# Altium PCB HallFM2_2.PcbDoc (part 3 of 3) (continued)
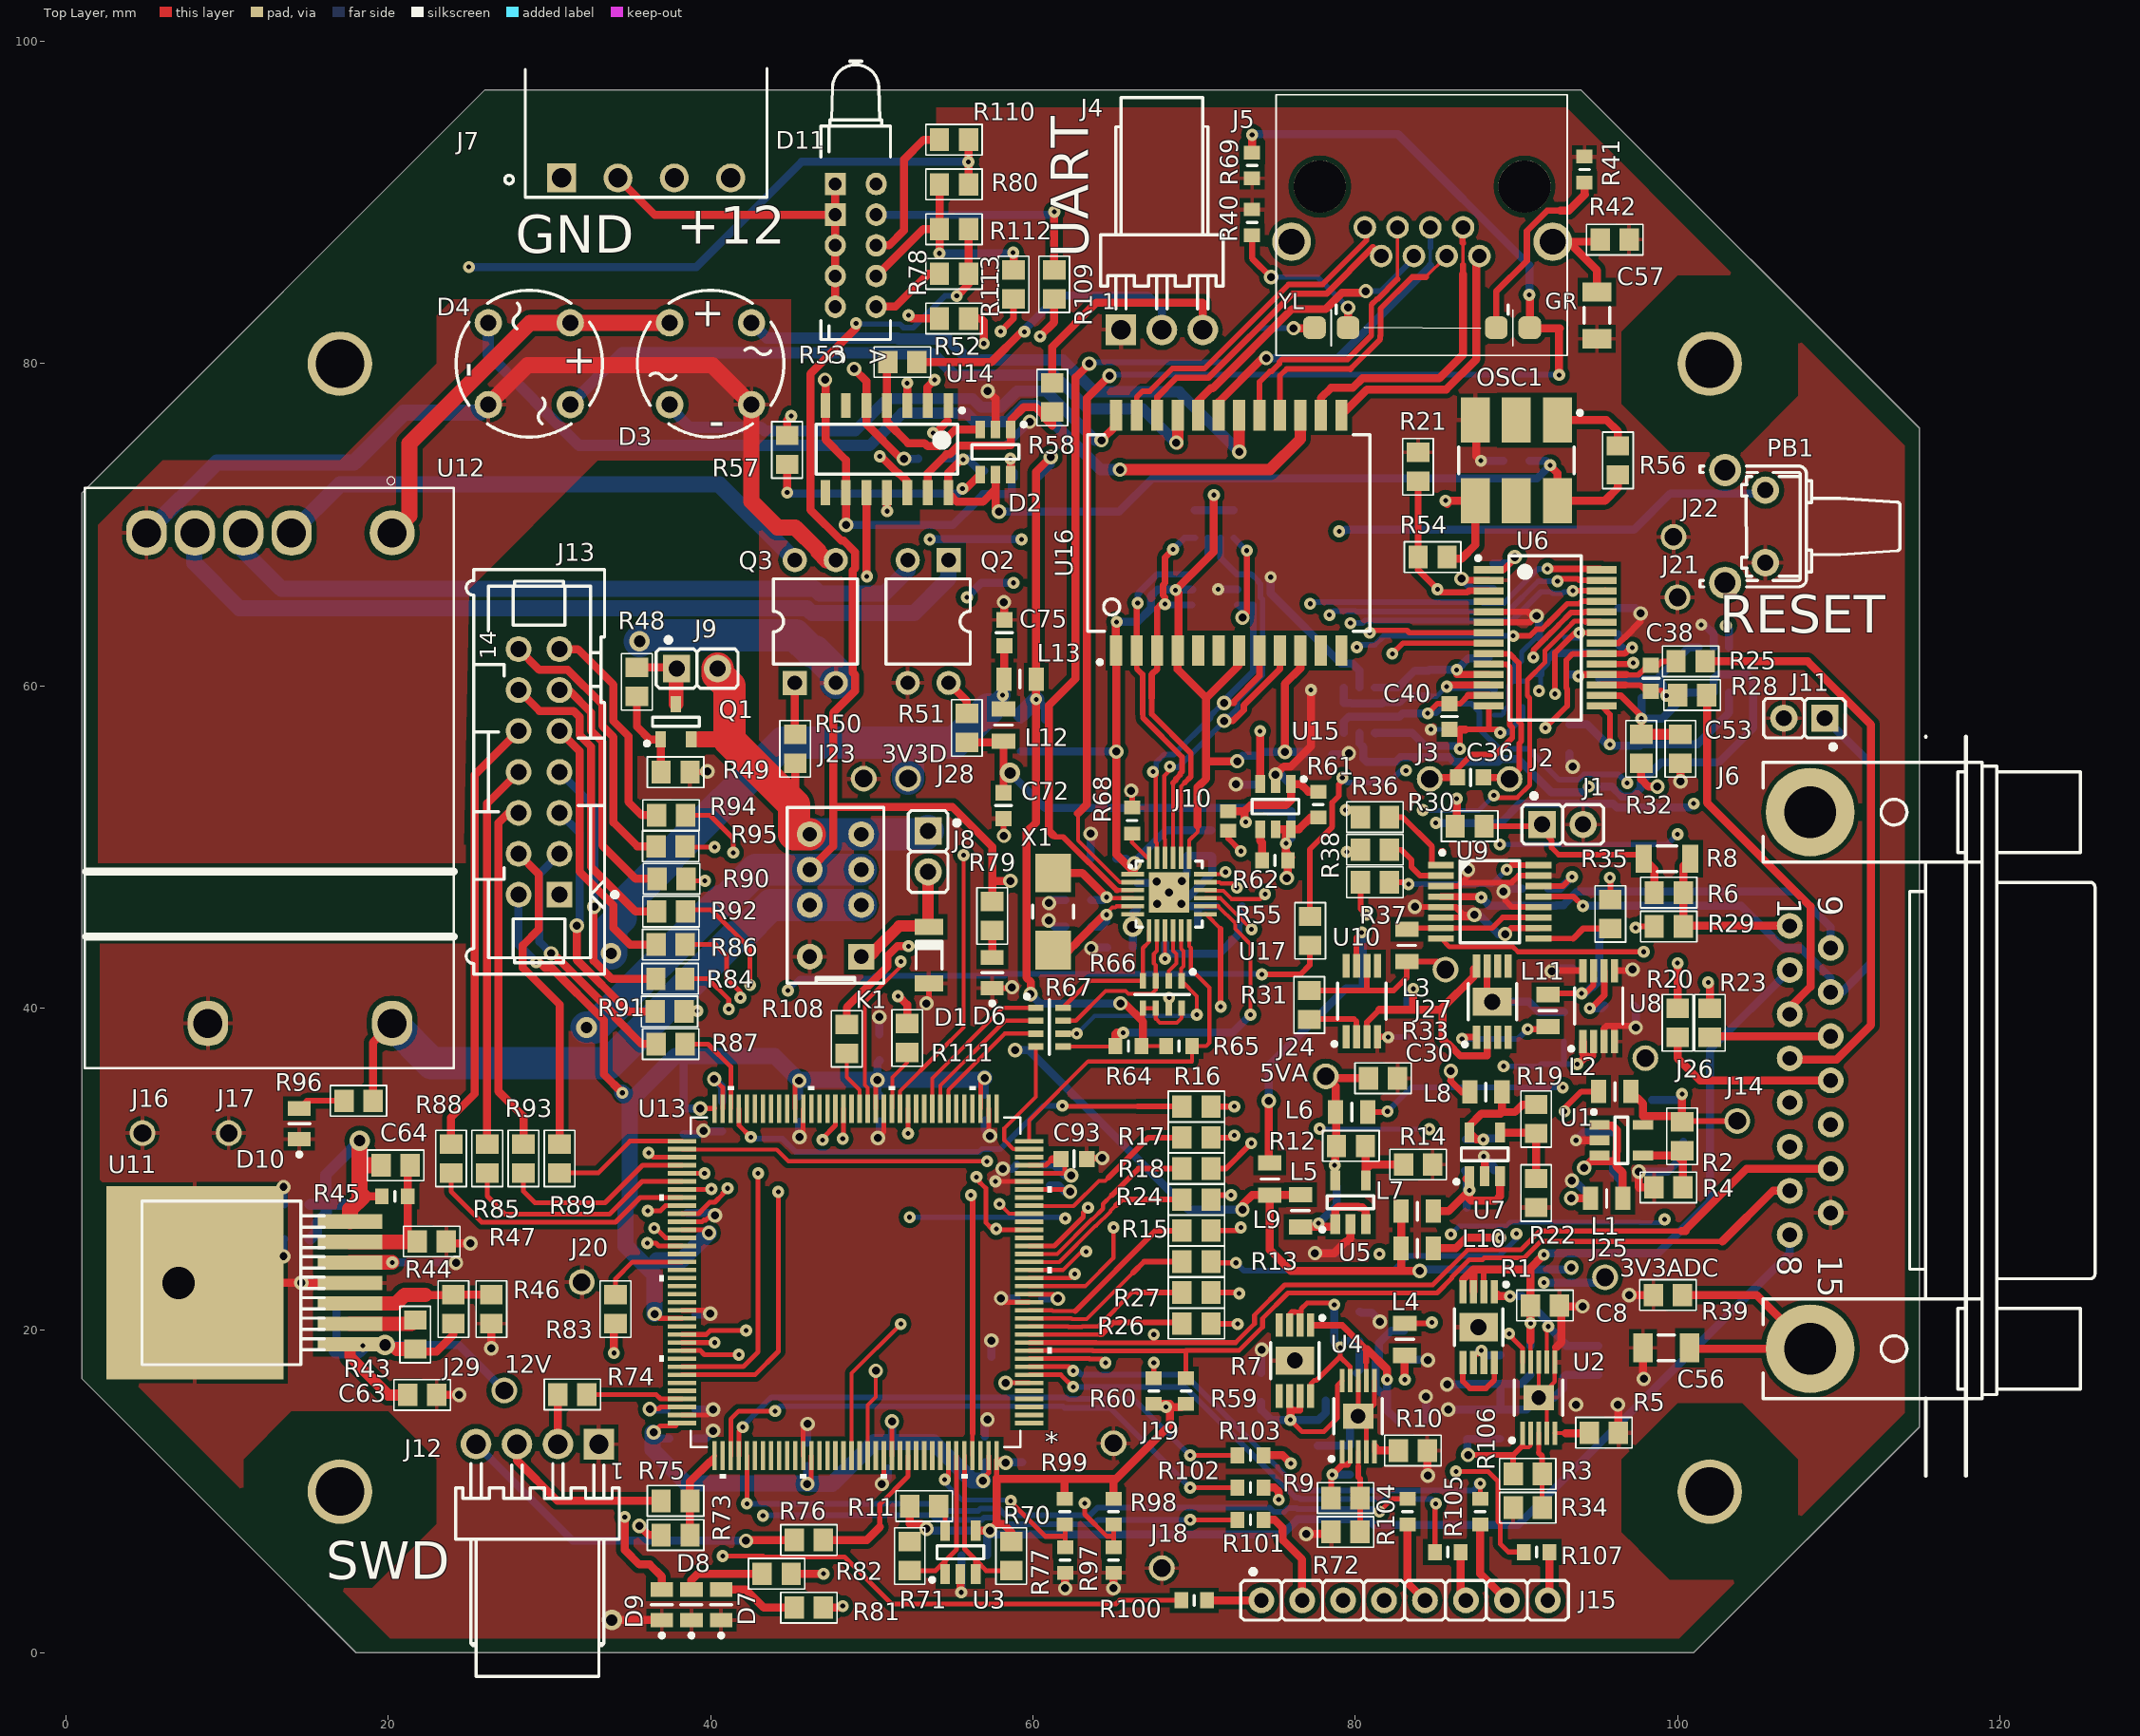
[diagram p0: Top Layer view]
## Nets (pads, with @x,y where several pads share a name; then routed paths per layer and width w, separated by ;. In a path a pad name is that pad's centre, name@x,y a point inside that pad or via, vN(x,y) a via of type N, cw(c..) or ccw(c..) an arc to the next point about the centre after c; other vN are vias at no path point) (continued)
NetR77_1: R77.1 R99.1 U13.138 | length 12.3
  Top Layer w0.3: v1(54.528,10.751) 54.75,10.973 U13.138@54.75,12.23 ; v1(58.625,9.425) 58.55,9.5 58.5,9.5 60.775,7.225 62,7.225 ; R99.1@61.975,7.95 62,7.925 62,7.225 ; R77.1@62,6.55 62,7.225
  Bottom Layer w0.3: v1(54.528,10.751) 54.528,10.547 54.7,10.375 55.6,9.475 58.575,9.475 v1(58.625,9.425)
NetR81_1: R81.1 U13.56 | length 32.1
  Top Layer w0.3: v1(48.2,31.9) 48.25,31.95 U13.56@48.25,33.77
  Top Layer w0.5: R81.1@47,2.8 48.1,2.8 v1(48.2,2.9)
  Signal Layer 2 w0.35: v1(48.2,2.9) v1(48.2,31.9)
NetR82_1: R82.1 U13.57 | length 32
  Top Layer w0.3: v1(46.95,31.825) 46.95,31.925 47.75,32.725 U13.57@47.75,33.77
  Top Layer w0.5: R82.1@45,4.9 v1(47,4.9)
  Signal Layer 2 w0.35: v1(46.95,31.825) 46.95,23.543 47.65,22.843 47.65,5.55 v1(47,4.9)
  Bottom Layer w0.35: v1@46.8,31.975 v1(46.95,31.825)
NetR83_1: R83.1 U13.88 | length 5.5
  Top Layer w0.3: R83.1@34.1,22.225 34.1,23.2 35.15,24.25 U13.88@38.23,24.25
NetR97_1: R97.1 R98.1 U13.48 | length 39.2
  Top Layer w0.3: v1(52.25,32.225) U13.48@52.25,33.77 ; v1(63.22,9.28) 63.22,8.593 64.588,7.225 65,7.225 ; R97.1@65,6.55 65,7.225 ; R98.1@65,7.95 65,7.225
  Signal Layer 2 w0.35: v1(52.25,32.225) 52.35,32.125 v1(52.35,27.025) ; v1(62.003,26.951) 61.85,26.798 61.85,23.189 63.25,21.789 63.25,9.311 v1(63.22,9.28)
  Bottom Layer w0.3: v1(52.35,27.025) 61.929,27.025 v1(62.003,26.951)
NetU13_101: U13.101 U14.1 | length 68
  Top Layer w0.3: U13.101@38.23,17.75 42.025,17.75 42.95,18.675 v1(42.95,29.75)
  Top Layer w0.5: v1(53.803,75.704) 53.954,75.704 54.7,76.45
  Signal Layer 2 w0.5: v1(42.95,29.75) 43.325,30.125 43.325,32.517 43.275,32.567 43.275,41.102 43.275,61.542 49.825,68.092 49.825,70.892 50.608,71.675 50.848,71.675 53.327,74.154 53.327,75.228 v1(53.803,75.704)
NetU13_102: U13.102 U14.10 | length 62.3
  Top Layer w0.3: U13.102@38.23,17.25 42.75,17.25 44.2,18.7 v1(44.2,28.6)
  Top Layer w0.5: U14.10@49.67,72 49.67,66.83 v1(49.7,66.8)
  Signal Layer 2 w0.5: v1(44.2,28.6) 44.05,28.75 44.05,32.782 43.975,32.857 43.975,40.812 43.975,61.075 v1(49.7,66.8)
NRST: J10.2 R61.2 U13.25 U15.1 | length 44.4
  Top Layer w0.3: v1(56.5,29.525) 56.5,29.4 57.075,28.825 57.075,26.7 57.475,26.3 v1(57.725,26.3) 57.775,26.25 U13.25@59.77,26.25
  Top Layer w0.5: J10.2@72.125,52.225 73.125,52.225 ; v1(73.204,51.553) 73.125,51.631 73.125,51.7 73.125,52.225 ; R61.2@77.705,53.438 77.087,53.438 76.612,53.913 U15.1@76.005,53.913 76.005,52.905 75.7,52.6 73.5,52.6 73.125,52.225
  Signal Layer 2 w0.3: v1(56.5,29.525) 56.15,29.875 56.15,30.55 56.653,31.053 56.653,31.277 57.659,31.277 58.128,31.745 58.128,34.853 68.5,45.225 69.9,45.225 70.375,45.7 70.375,48.852 73.075,51.553 v1(73.204,51.553)
PA1_REF_CLK: R67.4 U13.35 | length 8.4
  Top Layer w0.25: U13.35@59.77,31.25 58.781,31.25 58.225,31.806 58.225,32.55 60.175,34.5 R67.4@60.175,37.625
PA2_MDIO: R65.2 U13.36 U17.12 | length 22.5
  Top Layer w0.25: U13.36@59.77,31.75 59.77,33.041 63.428,36.7 69.875,36.7 R65.2@69.875,37.65 70.75,37.65 70.95,37.85 70.95,41.275 69.8,42.425 69.8,43.738 69.7,43.838 U17.12@69.7,44.82
PA7_CSR_DV: R67.3 U13.43 | length 8
  Top Layer w0.25: U13.43@54.75,33.77 54.75,34.925 58.25,38.425 R67.3@60.175,38.425
PB11: R87.1 U13.70 | length 6
  Top Layer w0.3: R87.1@38.425,37.775 39.85,37.775 41.25,36.375 U13.70@41.25,33.77
PB12: R89.1 U13.73 | length 8.4
  Top Layer w0.3: R89.1@30.625,29.775 33.025,29.775 35,31.75 U13.73@38.23,31.75
PB13_TXD1: U13.74 U17.18 | length 44.9
  Top Layer w0.25: U13.74@38.23,31.25 38.255,31.225 44.1,31.225 44.823,30.502 v1(57.153,30.502) ; U17.18@70.705,48.325 71.826,48.325 v1(71.953,48.452)
  Signal Layer 2 w0.25: v1(57.153,30.502) 57.453,30.802 57.856,30.802 58.603,31.548 58.603,32.466 65.313,39.177 65.452,39.177 71.953,45.678 v1(71.953,48.452)
PB14: R91.1 U13.75 | length 13.1
  Top Layer w0.3: v1(36.15,31.025) 36.425,30.75 U13.75@38.23,30.75 ; R91.1@38.35,39.8 39.15,39.8 v1(39.177,39.827)
  Signal Layer 2 w0.3: v1(36.15,31.025) 36.2,31.075 36.2,36.85 v1(39.177,39.827)
PB15: R93.1 U13.76 | length 12.2
  Top Layer w0.3: R93.1@28.383,29.775 28.383,28.642 29.1,27.925 33.45,27.925 35.775,30.25 U13.76@38.23,30.25
PC1_MDC: U13.27 U17.13 | length 27.2
  Top Layer w0.25: v1(57.925,27.85) 58.525,27.25 U13.27@59.77,27.25 ; U17.13@70.705,45.825 70.75,45.825 71.65,44.925
  Top Layer w0.35: v1(71.65,40.1) 71.65,44.925
  Signal Layer 2 w0.25: v1(57.925,27.85) 58.43,27.85 69.055,38.475 70.375,38.475 71.65,39.75 v1(71.65,40.1)
PC4_RXD0: R67.2 U13.44 | length 9
  Top Layer w0.25: U13.44@54.25,33.77 54.25,35.2 58.275,39.225 R67.2@60.175,39.225
PC5_RXD1: R67.1 U13.45 | length 10.1
  Top Layer w0.25: U13.45@53.75,33.77 53.75,35.65 58.125,40.025 R67.1@60.175,40.025
PC9: R100.2 U13.98 | length 45.4
  Top Layer w0.3: U13.98@38.23,19.25 v1(40.25,19.25) ; v1(40.75,6) 43.25,6 43.3,5.95 48.3,5.95 51.23,3.02 65.151,3.02 65.381,3.25 R100.2@69.2,3.25
  Signal Layer 2 w0.3: v1(40.25,19.25) 40.952,18.548 40.952,8.977 40.75,8.775 v1(40.75,6)
PC10: R101.2 U13.99 | length 44.2
  Top Layer w0.3: U13.99@38.23,18.75 39.367,18.75 39.617,18.5 v1(41.75,18.5) ; v1(69.75,8.25) R101.2@72.7,8.25
  Signal Layer 2 w0.3: v1(41.75,18.5) 43.25,17 v1(43.25,8.5)
  Bottom Layer w0.35: v1(43.25,8.5) 43.275,8.525 53.742,8.525 54.015,8.251 56.835,8.251 56.983,8.4 57.667,8.4 58.086,7.98 63.758,7.98 64.028,8.25 v1(69.75,8.25)
PC11: R102.2 U13.111 | length 36.1
  Top Layer w0.3: U13.111@41.25,12.23 41.25,14.5 41.75,15 v1(44,15) ; v1(69.75,10.25) R102.2@72.7,10.25
  Bottom Layer w0.35: v1(44,15) 44.3,15.3 61.862,15.3 61.962,15.2 64.8,15.2 v1(69.75,10.25)
PC12: R103.2 U13.112 | length 34.9
  Top Layer w0.3: U13.112@41.75,12.23 41.75,13.75 v1(42,14) ; v1(69.75,12.25) R103.2@72.7,12.25
  Bottom Layer w0.35: v1(42,14) 42,14.061 43.789,15.85 62.089,15.85 62.189,15.75 66.25,15.75 v1(69.75,12.25)
PC13: R104.2 U13.113 | length 45.2
  Top Layer w0.3: v1(42.25,9.25) U13.113@42.25,12.23 ; v1(81.5,8.75) 82.3,9.55 R104.2@83.25,9.55
  Bottom Layer w0.35: v1(42.25,9.25) 53.794,9.25 54.243,8.801 56.607,8.801 56.755,8.95 57.895,8.95 58.314,8.53 63.53,8.53 64,9 74.689,9 74.939,8.75 75.593,8.75 75.818,8.975 76.364,8.975 76.426,8.913 81.337,8.913 v1(81.5,8.75)
PC14: R105.2 U13.7 | length 31.6
  Top Layer w0.3: U13.7@59.77,17.25 61.725,17.25 62.475,16.5 v1(62.5,16.5) ; R105.2@84.95,6.25 84.95,9.2 v1(85,9.25)
  Bottom Layer w0.35: v1(62.5,16.5) 69.412,16.5 76.275,9.636 76.48,9.636 76.592,9.525 77.412,9.525 84.725,9.525 v1(85,9.25)
PC15: R106.2 U13.8 | length 32.5
  Top Layer w0.3: U13.8@59.77,17.75 62.25,17.75 v1(62.5,17.5) ; R106.2@87.75,9.55 v1(87.75,10.5)
  Bottom Layer w0.35: v1(62.5,17.5) 62.75,17.5 63,17.25 69.439,17.25 76.503,10.186 76.708,10.186 76.82,10.075 77.64,10.075 87.325,10.075 v1(87.75,10.5) v1@87.5,10.5
PC16: R107.2 U13.9 | length 38.8
  Top Layer w0.3: U13.9@59.77,18.25 63.493,18.25 63.518,18.225 64.275,18.225 v1(64.5,18) ; v1(86.25,11.25) 88.25,11.25 88.85,10.65 88.85,8.155 89,8.005 89,6.75 89.5,6.25 R107.2@90.45,6.25
  Signal Layer 2 w0.3: v1(64.5,18) 66.25,16.25 72.525,16.25 76.725,12.05 76.725,11.875 78.4,10.2 85.2,10.2 v1(86.25,11.25)
PD8: R84.2 U13.77 | length 17.5
  Top Layer w0.3: U13.77@38.23,29.75 v1(39.625,29.75) ; R84.2@38.45,41.875 R84.2@38.4,41.825 39.85,41.825 41.127,40.548 v1(41.127,39.952)
  Signal Layer 2 w0.3: v1(39.625,29.75) 37.95,31.425 37.95,35.45 41.127,38.627 v1(41.127,39.952)
PD9: R85.2 U13.78 | length 14.8
  Top Layer w0.3: R85.2@26.142,29.775 26.142,28.333 27.25,27.225 33.725,27.225 35.75,29.25 U13.78@38.23,29.25
PD10: R86.2 U13.79 | length 21.8
  Top Layer w0.3: U13.79@38.23,28.75 40.025,28.75 v1(40.05,28.775) ; R86.2@38.425,43.95 40.3,43.95 41,43.25 41,41.868 41.852,41.016 v1(41.852,40.652)
  Signal Layer 2 w0.3: v1(40.05,28.775) 40.05,28.85 40.35,29.15 40.35,30.472 38.45,32.372 38.45,35.125 41.852,38.527 v1(41.852,40.652)
PD11: R88.2 U13.80 | length 16.9
  Top Layer w0.3: R88.2@23.9,29.775 23.9,28.625 25.8,26.725 34.1,26.725 35.625,28.25 U13.80@38.23,28.25
PD12: R90.2 U13.81 | length 26.1
  Top Layer w0.3: v1(36.1,27.425) 36.882,27.425 37.207,27.75 U13.81@38.23,27.75 ; R90.2@38.477,48.027 38.477,47.9 v1(39.65,47.9)
  Signal Layer 2 w0.3: v1(36.1,27.425) 35.425,28.1 35.425,43.425 39.65,47.65 v1(39.65,47.9)
PD13: R92.2 U13.82 | length 24.1
  Top Layer w0.3: U13.82@38.23,27.25 39.262,27.25 39.469,27.457 39.469,27.475 39.946,27.951 40.252,27.951 40.775,28.475 40.775,28.55 v1(41.05,28.825) ; R92.2@38.45,46 38.55,46.1 40.057,46.1 42.45,43.707 v1(42.45,41.443)
  Signal Layer 2 w0.3: v1(41.05,28.825) 41.125,28.9 41.125,36.725 42.577,38.177 42.577,41.316 v1(42.45,41.443)
PD14: R94.2 U13.85 | length 31.7
  Top Layer w0.3: v1(36.5,26.35) 36.603,26.35 37.203,25.75 U13.85@38.23,25.75 ; R94.2@38.45,51.975 39.962,51.975 41.402,50.535 v1(41.402,49.652)
  Signal Layer 2 w0.3: v1(36.5,26.35) 36.95,26.8 36.95,36.575 39.902,39.526 39.902,40.628 40.975,41.701 40.975,49.225 v1(41.402,49.652)
PD15: R95.2 U13.86 | length 34
  Top Layer w0.3: v1(36.077,25.426) 36.599,25.426 36.776,25.25 U13.86@38.23,25.25 ; R95.2@38.425,50.05 38.475,50.1 38.575,50 v1(40.25,50)
  Signal Layer 2 w0.3: v1(36.077,25.426) 36.602,25.426 37.45,26.275 37.45,35.775 38.188,36.513 38.3,36.513 39.664,37.877 39.664,37.989 40.402,38.727 40.402,39.319 40.568,39.485 40.402,39.651 40.402,40.42 41.902,41.921 41.902,49.127 42.127,49.352 42.127,49.953 41.703,50.377 40.377,50.377 40.25,50.25 v1(40.25,50)
PG11_TX_EN: U13.126 U17.16 | length 51.2
  Top Layer w0.25: U13.126@48.75,12.23 48.75,17.35 v1(51.8,20.4) ; U17.16@70.705,47.325 70.74,47.29 71.812,47.29 72.325,46.777 74.103,46.777 v1(74.404,47.077) 74.404,47.101 v1@74.315,47.19
  Signal Layer 2 w0.35: v1(51.8,20.4) 51.8,21.436 57.464,27.1 58.388,27.1 62.813,31.525 64.286,31.525 73.25,40.489 73.25,42.514 73.225,42.539 73.225,43.464 74.55,44.789 74.55,45.411 74.55,45.942 74.55,46.931 v1(74.404,47.077)
PG13_TXD0: U13.128 U17.17 | length 46.6
  Top Layer w0.25: U13.128@49.75,12.23 49.75,15.375 50.25,15.875 v2(50.25,17.5) ; U17.17@70.705,47.825 71.59,47.825 71.675,47.74 v1@72.39,47.74
  Signal Layer 2 w0.25: v2(50.25,17.5) 50.25,21.165 57.635,28.55 57.965,28.55 58.375,28.96 58.375,29.138 72.653,43.416 v1(72.653,47.477)
ProbeEEPROM_SCL: J6.14 R60.2 U13.11 | length 57.8
  Top Layer w0.3: U13.11@59.77,19.25 63.908,19.25 63.933,19.225 67.475,19.225 67.5,19.25 ; R60.2@67.5,17.05 v1(67.5,18) ; v1(67.5,19.75) 67.5,19.25 ; 100.25,26.175 91.443,26.175 90.268,25 86.979,25 84.804,22.825 75.623,22.825 73.75,20.952 73.75,20.425 72.575,19.25 67.5,19.25
  Top Layer w0.5: 100.25,26.175 100.5,26.175 100.5,26.25 104.29,30.04 J6.14@109.5,30.04
  Signal Layer 2 w0.35: v1(67.5,18) v1(67.5,19.75)
ProbeEEPROM_SDA: J6.7 R59.2 U13.10 | length 53.5
  Top Layer w0.3: U13.10@59.77,18.75 63.7,18.75 63.725,18.725 69.475,18.725 69.5,18.75 ; R59.2@69.25,17 69.5,17.25 69.5,18.75 ; 102.775,25.525 91.5,25.525 90.475,24.5 88,24.5 87.9,24.4 87.086,24.4 86,23.314 86,23.25 85.075,22.325 75.83,22.325 74.25,20.745 74.25,20.218 72.782,18.75 69.5,18.75
  Top Layer w0.5: 102.775,25.525 105.92,28.67 J6.7@106.96,28.67
RD_N: D5.1 R63.2 U16.9 U17.22 | length 31.1
  Top Layer w0.25: U17.22@68.2,49.33 68.2,50.478 68.15,50.528 68.15,54.425 68.5,54.775 v1(68.5,55)
  Top Layer w0.4: v2(71.864,57.836) 72.417,57.836 73.081,58.5 73.081,58.799 75.33,61.048 U16.9@75.33,62.2
  Bottom Layer w0.35: v1@68.388,55.063 68.45,55 v1(68.5,55) ; v1@68.547,54.947 68.997,54.947 71.678,57.628 71.678,57.972 71.703,57.997 v2(71.864,57.836) 71.864,58.111 72.206,58.111 72.689,58.594 72.689,59.114 74.25,60.675 74.25,65.366 74.125,65.491 74.125,66.314 74,66.439 74,66.5 73.575,66.925 73.5,66.925
  Bottom Layer w0.4: R63.2@71.65,69.2 71.65,67.95 D5.1@72.675,66.925 73.5,66.925
RD_P: D5.3 R63.1 U16.8 U17.23 | length 30.7
  Top Layer w0.25: v1@67.625,54.5 67.625,50.311 67.68,50.255 ; U17.23@67.7,49.33 67.7,50.236
  Top Layer w0.4: v1(67.45,54.675) v1@67.625,54.5 ; v2(71.864,58.936) 72.481,58.936 72.481,59.047 74.06,60.626 U16.8@74.06,62.2 U16.8@73.975,62.285 ; v2(73,64.25) 73.275,64.525 v1(73.275,68.4)
  Bottom Layer w0.35: v1(67.45,54.675) 67.65,54.875 67.65,55.25 68.075,55.675 68.114,55.675 68.189,55.75 68.75,55.75 71.039,58.039 71.039,58.178 71.522,58.661 71.589,58.661 v2(71.864,58.936) ; D5.3@72.675,65.025 73,64.7 v2(73,64.25)
  Bottom Layer w0.4: v2(71.864,58.936) 72.114,59.186 72.114,59.352 73.675,60.913 73.675,65.025 D5.3@72.675,65.025 ; R63.1@72.45,69.2 73.25,68.4 v1(73.275,68.4)
TD_N: D5.4 R63.4 U16.3 U17.20 | length 24.5
  Top Layer w0.25: U17.20@69.2,49.33 69.2,52.871
  Top Layer w0.254: 69.2,52.871 69.2,53.775 69.433,54.008
  Top Layer w0.35: 67.375,59.25 67.375,58.25 69.8,55.825 69.8,54.375 69.433,54.008
  Top Layer w0.4: 67.375,59.25 67.375,60.712 67.71,61.048 U16.3@67.71,62.2 67.71,64.815 67.97,65.075 v1(68.2,65.075) 68.2,65.504 68.075,65.629 68.075,66.271 68.2,66.396 68.2,67.975 v1(68.7,68.475)
  Bottom Layer w0.4: v1(68.2,65.075) 68.25,65.025 D5.4@69.875,65.025 ; v1(68.7,68.475) 69.425,69.2 R63.4@70.05,69.2
TD_P: D5.6 R63.3 U16.2 U17.21 | length 24.4
  Top Layer w0.25: 68.698,52.871 68.698,53.983
  Top Layer w0.254: 68.698,52.871 68.698,50.159 68.7,50.157 U17.21@68.7,49.33
  Top Layer w0.35: U16.2@66.44,62.2 66.44,61.073 66.8,60.713 66.8,58.25 66.825,58.225 66.825,58.022 69.25,55.597 69.25,54.689 69.138,54.577 69.138,54.49 68.883,54.236 68.883,54.168 68.698,53.983
  Top Layer w0.4: U16.2@66.44,62.2 66.44,64.815 66.5,64.875 v1(66.5,65.15)
  Bottom Layer w0.4: v1(66.5,65.15) 66.5,65.671 66.6,65.771 66.575,65.796 67.704,66.925 D5.6@69.875,66.925 70.85,67.9 R63.3@70.85,69.2
VCalibr: L3.2 U9.7 U9.11 | length 8.5
  Top Layer w0.35: L3.2@83.2,44.9 83.275,44.975 U9.7@85.325,44.975 88.5,44.975 89.15,45.625 U9.11@91.375,45.625
VDDA_Eth: C71.1 C77.2 C78.2 C79.2 C82.2 C85.2 D5.5 L14.1 R63.5 R63.6 R63.7 R63.8 U16.1 U16.4 U16.7 U16.10 U17.1 U17.19 | length 80.9
  Top Layer w0.25: U17.1@66.195,48.325 66.195,48.53 ; U17.19@69.7,49.33 69.7,50.425 70.225,50.95 70.225,51.35
  Top Layer w0.5: v1@65.15,63.975 65.15,62.22 U16.1@65.17,62.2 65.17,49.555 v2@66.025,48.7 ; 66.195,48.53 v2@66.3,48.635 ; 70.225,51.35 70.225,53.725 70.75,54.25 70.75,55.327 ; v1(71.225,71.85) 71.225,68.325 v1(68.85,65.95) 69.025,65.775 69.025,62.245 U16.4@68.98,62.2 68.98,61.02 70.75,59.25 ; v2(72.678,55.327) 70.75,55.327 ; U16.7@72.79,62.2 72.79,61.29 70.75,59.25 ; v2(75.629,55.903) 75.629,60.129 76.575,61.075 ; 70.75,55.327 70.75,55.75 70.75,59.25 ; 76.575,61.075 76.6,61.1 U16.10@76.6,62.2 76.575,62.175 76.575,61.075
  Bottom Layer w0.5: L14.1@59.25,55.925 C71.1@61.575,55.925 v2(65.175,55.925) ; C77.2@65.175,49.275 65.775,49.275 66.05,49 66.275,49 v2(66.3,48.975) 66.3,49.075 68.275,51.05 C85.2@69.55,51.05 C78.2@71.075,51.05 ; v1(65.2,63.975) 66.492,63.975 67.325,64.808 67.325,65.575 67.725,65.975 D5.5@69.875,65.975 ; R63.5@70.05,70.9 R63.6@70.85,70.9 71.2,70.9 ; v1(71.225,71.85) 71.2,71.825 71.2,70.9 ; R63.8@72.45,70.9 R63.7@71.65,70.9 71.2,70.9 ; v2(72.678,55.327) 73.026,55.675 C79.2@74.025,55.675 ; C79.2@74.15,55.8 74.253,55.903 v2(75.629,55.903) 76.822,55.903 C82.2@76.975,55.75
VHall1N: J6.11 R23.1 | length 7.5
  Top Layer w0.5: R23.1@102,38.2 102.06,38.26 J6.11@109.5,38.26
VHall1P: J6.12 R20.1 | length 11.4
  Top Layer w0.5: R20.1@100,38.2 100,36.9 101.38,35.52 J6.12@109.5,35.52
VHall2N: J6.3 R28.1 | length 23
  Top Layer w0.5: R28.1@101.805,59.43 101.825,59.41 101.825,52.75 108.25,46.325 108.25,41.325 106.96,40.035 J6.3@106.96,39.63
VHall2P: J6.4 R25.1 | length 37.3
  Top Layer w0.5: R25.1@101.705,61.53 108.07,61.53 112,57.6 112,38.95 109.875,36.825 106.55,36.825 106.615,36.89 J6.4@106.96,36.89
pads on no net: J5.0 J6.5 J6.6 J6.13 OSC1.2 OSC1.5 PB1.3 PB1.4 R7.4 R7.5 R33.3 R33.4 R33.5 R33.6 U6.4 U10.1 U10.5 U10.8 U13.1 U13.2 U13.3 U13.4 U13.5 U13.24 U13.26 U13.29 U13.34 U13.37 U13.40 U13.41 U13.42 U13.46 U13.47 U13.55 U13.58 U13.59 U13.60 U13.63 U13.64 U13.65 U13.66 U13.67 U13.68 U13.87 U13.89 U13.90 U13.91 U13.92 U13.93 U13.96 U13.100 U13.103 U13.104 U13.110 U13.114 U13.115 U13.116 U13.117 U13.118 U13.119 U13.122 U13.123 U13.124 U13.125 U13.127 U13.129 U13.132 U13.134 U13.135 U13.136 U13.137 U13.142 U14.6 U14.8 U16.5 U16.6 U16.11 U16.12

## Polygon pours and split planes (outlines as drawn)
NetD3_3 on Top Layer "NONET_L-01_P-001" (solid, remove dead copper, pour order 38): 6,74 17,74 23,80 23,83 24,84 45,84 45,77 42,74 33,74 25,66 25,49 2,49 2,70
GND on Top Layer "NONET_L-01_P-001" (solid, remove dead copper, pour order 18): 2.104,16.9 4.104,16.9 20.104,0.9 100.104,0.9 114.104,14.9 114.104,74.9 93.104,95.9 43,95.9 43,55.796 2.104,55.004
NetD3_3 on Signal Layer 2 "NONET_L-01_P-001" (solid, remove dead copper, pour order 32): 6,74 17,74 23,80 23,83 26,86 45,86 45,77 42,74 33,74 25,66 25,49 2,49 2,70
GND on Signal Layer 2 "NONET_L-01_P-001" (solid, remove dead copper, pour order 26): 2,17 4,17 20,1 100,1 114,15 114,75 93,96 27,96 27,95 2,70
NetD3_3 on Bottom Layer "NONET_L-01_P-001" (solid, remove dead copper, pour order 2): 6,74 17,74 23,80 23,83 24,84 45,84 45,77 42,74 33,74 25,66 25,49 2,49 2,70
GND on Bottom Layer "NONET_L-01_P-001" (solid, remove dead copper, pour order 34): 2,17 4,17 20,1 100,1 114,15 114,75 93,96 27,96 27,95 2,70
NetD3_3 on Signal Layer 1 "NONET_L-01_P-001" (solid, remove dead copper, pour order 40): 6,74 17,74 23,80 23,83 24,84 45,84 45,77 42,74 33,74 25,66 25,49 2,49 2,70
GND on Signal Layer 1 "NONET_L-01_P-001" (solid, remove dead copper, pour order 42): 2.104,16.9 4.104,16.9 20.104,0.9 100.104,0.9 114.104,14.9 114.104,74.9 93.104,95.9 27.104,95.9 27.104,94.9 2.104,69.9

## Other copper
Top Layer:
  pour cut-out: 25,66 32.821,73.821 40,73.821 40.694,73.127 41.388,73.821 41.427,73.821 41.427,71.291 41.535,71.183 41.479,71.127 34.694,71.127 34.694,51.127 32.694,49.127 31.694,50.127 24.694,50.127
  pour cut-out: 104,74.5 107.5,78 107.5,82.5 104.5,85.5 100,85.5 96.5,82 96.5,78.5 96.5,77.5 99.5,74.5
  pour cut-out: 96.5,7.5
  pour cut-out: 98,6 96.5,7.5 96.5,12 100,15.5 104,15.5 107.5,12 107.5,7.5 104.5,4.5 99.5,4.5 97,7 97,8
  pour cut-out: 99,15
  pour cut-out: 14,15 20,15 23,12 23,8 19,4 17,4 11,10 11,12
  pour cut-out: 47,70.277 47.277,70 53,70 53,87 47.043,87
  pour cut-out: 54,96 54,87 25,87 25,96
  pour cut-out: 4.491,74.491 14.491,74.491 24.702,84.702 24.702,93.298 24,94 5,75
  pour cut-out: 2,49 2,44 25,44 24.814,44.186 24.814,49
Signal Layer 1:
  pour cut-out: 4.387,74.491 14.387,74.491 24.598,84.702 24.598,93.298 23.896,94 4.896,75
  pour cut-out: 54,96 54,87 25,87 25,96
  pour cut-out: 25.202,65.873 33.023,73.694 40.202,73.694 40.896,73 45,77.104 45,69 34.896,69 34.896,52.896 26,44 24.78,44
  pour cut-out: 44.974,70.026 45,70 52.896,70 52.896,87 45.018,87
  pour cut-out: 1.896,49 1.896,44 24.896,44 24.71,44.186 24.71,49
Signal Layer 2:
  pour cut-out: 54,96 54,87 25,87 25,96
  pour cut-out: 25.725,87.6 32.511,87.6 35,84.544 35,71 35,51 30.475,46.475 24.932,46.475
  pour cut-out: 47,70.277 47.277,70 53,70 53,87 47.043,87
  pour cut-out: 4.491,74.491 14.491,74.491 24.702,84.702 24.702,93.298 24,94 5,75
  pour cut-out: 2,49 2,44 25,44 24.814,44.186 24.814,49
Bottom Layer:
  pour cut-out: 54,96 54,87 25,87 25,96
  pour cut-out: 4.5,74.5 14.5,74.5 24.712,84.712 24.712,93.307 24.009,94.009 5.009,75.009
  pour cut-out: 1,49 1,44 24,44 23.814,44.186 23.814,49
  pour cut-out: 25.34,65.84 33.16,73.66 40.34,73.66 41.034,72.966 41.728,73.66 47.009,73.66 47.009,70.966 35.034,70.966 35.034,50.966 33.034,48.966 32.034,49.966 25.034,49.966
  pour cut-out: 104,74.5 107.5,78 107.5,82.5 104.5,85.5 100,85.5 96.5,82 96.5,78.5 96.5,77.5 99.5,74.5
  pour cut-out: 98,6 96.5,7.5 96.5,12 100,15.5 104,15.5 107.5,12 107.5,7.5 104.5,4.5 99.5,4.5 97,7 97,8
  pour cut-out: 14,15 20,15 23,12 23,8 19,4 17,4 11,10 11,12
  pour cut-out: 46,70.277 46.277,70 52,70 52,87 46.043,87
  pour cut-out: 98,15
  pour cut-out: 95.5,7.5

## Silkscreen, mask and mechanical layers (free items; w line width, h text height)
Top Overlay:
  lines w0.25: 48.65,98.775 49.35,98.775 ; 115.4,10.975 115.4,15.77 ; 117.9,10.975 117.9,56.85 ; 115.4,56.85 115.4,56.85
  text "+12" at 37.9,86.675 h4
  text "UART" at 64.2,86.575 h4 r90
  text "GND" at 27.9,86.125 h4
  text "RESET" at 102.605,62.53 h4
  text "3V3D" at 50.625,55.25 h1.1
  text "5VA" at 74.075,35.45 h1.1
  text "3V3ADC" at 96.425,23.35 h1.1
  text "12V" at 27.225,17.375 h1.1
  text "SWD" at 16.15,3.8 h4
Top Solder:
  text "BPC HALL METER  02.26" at 25,69 h2
Bottom Solder:
  text "BPC HALL METER  02.26" at 26,71 h4 r90
Mechanical 3:
  circle w0.02: c77.963,52.806 r1.6
  circle w0.02: c13.613,83.806 r1.6
  circle w0.02: c-1.287,-2.094 r2.067
  circle w0.02: c6.713,46.906 r1.75
  circle w0.02: c6.713,46.906 r5
  circle w0.02: c6.713,46.906 r6
  circle w0.02: c13.613,39.306 r1.6
  circle w0.02: c123.713,-2.094 r2.067
  circle w0.02: c105.713,46.906 r1.75
  circle w0.02: c98.813,39.306 r1.6
  circle w0.02: c105.713,46.906 r5
  circle w0.02: c105.713,46.906 r6
  circle w0.02: c-1.287,95.906 r2.067
  circle w0.02: c123.713,95.906 r2.067
  circle w0.02: c106.2,25.649 r1.6
  lines w0.02: -3.702,-2.741 cw(c-1.287,-2.094) -1.934,-4.509 ; -3.702,95.259 cw(c-1.287,95.906) -1.934,93.491 ; -2.233,-3.932 cw(c0.713,-4.094) 0.551,-1.148 ; -2.233,97.744 ccw(c0.713,97.906) 0.551,94.961 ; 113.756,66.387 115.756,66.387 ; 115.337,2.606 ccw(c113.213,7.133) 118.213,7.133 ; 121.001,6.099 ccw(c154.547,-75.117) 106.182,-1.753 ; 121.298,-2.741 cw(c123.713,-2.094) 123.066,-4.509 ; 121.298,95.259 cw(c123.713,95.906) 123.066,93.491 ; 121.764,4.251 ccw(c154.547,-75.117) 107.283,-3.423 ; 121.875,-1.148 cw(c121.713,-4.094) 124.659,-3.932 ; 121.875,94.961 ccw(c121.713,97.906) 124.659,97.744 ; 123.213,9.406 123.213,84.406 ; 125.213,9.406 125.213,84.406 ; 125.337,2.606 114.336,-2.556 ; -5.787,7.133 ccw(c-0.787,7.133) -2.911,2.606 8.091,-2.556 ; -5.787,7.133 -5.787,86.68 ; -5.787,7.133 -5.787,-2.072 ccw(c-0.465,-2.072) 3.213,-5.918 6.213,-3.048 cw(c7.595,-4.494) 8.091,-2.556 ; -5.787,86.68 cw(c-0.787,86.68) -2.911,91.206 8.091,96.369 ; -5.787,86.68 -5.787,95.885 cw(c-0.465,95.885) 3.213,99.73 6.213,96.861 ccw(c7.595,98.306) 8.091,96.369 ; -2.787,9.406 ccw(c2.791,9.406) 0.662,4.251 ; -2.787,9.406 -2.787,84.406 ; -2.787,9.406 -0.787,9.406 ; -2.787,84.406 cw(c2.791,84.406) 0.662,89.562 ; -2.787,84.406 -0.787,84.406 ; -0.787,9.406 ccw(c2.791,9.406) 1.425,6.099 ; -0.787,9.406 -0.787,84.406 ; -0.787,84.406 cw(c2.791,84.406) 1.425,87.713 ; 0.662,4.251 cw(c-32.121,-75.117) 15.143,-3.423 ; 0.662,4.251 1.425,6.099 ; 0.662,89.562 ccw(c-32.121,168.93) 15.143,97.235 ; 0.662,89.562 1.425,87.713 ; 1.425,6.099 cw(c-32.121,-75.117) 16.244,-1.753 ; 1.425,87.713 ccw(c-32.121,168.93) 16.244,95.566 ; 8.091,-2.556 cw(c7.595,-4.494) 8.769,-2.875 13.213,-6.096 ccw(c17.213,-0.579) 17.213,-7.394 49.213,-7.394 ; 8.091,96.369 ccw(c7.595,98.306) 8.769,96.687 13.213,99.909 cw(c17.213,94.392) 17.213,101.206 105.213,101.206 cw(c105.213,94.392) 109.213,99.909 113.657,96.687 ccw(c114.831,98.306) 114.336,96.369 ; 15.143,-3.423 ccw(c18.213,1.235) 18.213,-4.344 ; 15.143,-3.423 16.244,-1.753 ; 15.143,97.235 cw(c18.213,92.578) 18.213,98.156 ; 15.143,97.235 16.244,95.566 ; 16.244,-1.753 ccw(c18.213,1.235) 18.213,-2.344 ; 16.244,95.566 cw(c18.213,92.578) 18.213,96.156 ; 18.213,-4.344 104.213,-4.344 ; 18.213,-4.344 18.213,-2.344 ; 18.213,-2.344 104.213,-2.344 ; 18.213,96.156 104.213,96.156 cw(c104.213,92.578) 106.182,95.566 ; 18.213,96.156 18.213,98.156 ; 18.213,98.156 104.213,98.156 cw(c104.213,92.578) 107.283,97.235 ; 49.213,-7.394 49.213,-9.994 -5.387,-9.994 cw(c-5.387,-6.994) -8.387,-6.994 -8.387,100.806 cw(c-5.387,100.806) -5.387,103.806 127.813,103.806 cw(c127.813,100.806) 130.813,100.806 130.813,-6.994 cw(c127.813,-6.994) 127.813,-9.994 73.213,-9.994 73.213,-7.394 ; 49.213,-7.394 49.213,-6.844 73.213,-6.844 73.213,-7.394 ; 73.213,-7.394 105.213,-7.394 ccw(c105.213,-0.579) 109.213,-6.096 113.657,-2.875 cw(c114.831,-4.494) 114.336,-2.556 ; 104.213,-4.344 ccw(c104.213,1.235) 107.283,-3.423 ; 104.213,-4.344 104.213,-2.344 ; 104.213,-2.344 ccw(c104.213,1.235) 106.182,-1.753 ; 106.182,-1.753 107.283,-3.423 ; 106.182,95.566 ccw(c154.547,168.93) 121.001,87.713 ; 106.182,95.566 107.283,97.235 ; 107.283,97.235 ccw(c154.547,168.93) 121.764,89.562 ; 114.336,-2.556 cw(c114.831,-4.494) 116.213,-3.048 119.213,-5.918 ccw(c122.891,-2.072) 128.213,-2.072 128.213,7.133 128.213,86.68 ; 114.336,96.369 ccw(c114.831,98.306) 116.213,96.861 119.213,99.73 cw(c122.891,95.885) 128.213,95.885 128.213,86.68 ; 114.336,96.369 125.337,91.206 cw(c123.213,86.68) 128.213,86.68 ; 121.001,87.713 cw(c119.635,84.406) 123.213,84.406 ; 121.001,87.713 121.764,89.562 ; 121.764,89.562 cw(c119.635,84.406) 125.213,84.406 ; 123.213,84.406 125.213,84.406 ; 111.001,6.099 ccw(c109.635,9.406) 113.213,9.406 115.213,9.406 cw(c109.635,9.406) 111.764,4.251 111.001,6.099
  lines w0.25: 0,12 0,0 12,0
  lines w0.5: 18,14 18,5 28,5
Mechanical 4:
  lines w0.05: 4,25.425 4,41.425 ; 4,29 23.875,29
Mechanical 17:
  the board outline again, w0.25
Mechanical 18:
  circle w1.016: c17,80 r5
  circle w1.016: c102,80 r5
  circle w1.016: c17,10 r5
  circle w1.016: c102,10 r5
  lines w0.25: -6,25 131,25 ; -5,49 136,49 ; -3,71 117,71 ; 12,0 34.25,0 ; 28,86 23,81 23,77 20,74 4,74 1,71 1,49 25,49 ; 29,86 45,86 ; 30.725,100 41.225,100 ; 45,85 45,77 42,74 33,74 25,66 25,49 ; 104,97 125,76 125,14 111,0 ; 117.95,68.674 117.95,69.33 117.95,70.643 117.95,71.3 ; 25,49 25,49
  lines w0.3: 12,0 0,12 0,71 26,97 103.575,97 ; 34.25,0 88.75,0 101,0 ; 106,5 115,14 115,17.65 115,75.575 ; 0.5,11.5 0.5,11.5 ; 0.5,11.5 0.5,11.5 ; 8,79 8,79

## Dimensions
118.9,55.27 to 102,80 on Top Overlay
102,80 to 94,97 on Mechanical 16
102,80 to 94,97 on Mechanical 16
37.46,82.54 to 102,80 on Mechanical 16
102,10 to 102,80 on Mechanical 16
17,80 to 102,80 on Mechanical 16
26,97 to 94,97 on Mechanical 16
1,17 to 115,76 on Mechanical 16
17,10 to 17,80 on Mechanical 16
1,17 to 1,72 on Mechanical 16
115,76 to 115,14 on Mechanical 16
101,0 to 94,97 on Mechanical 16
18,0 to 101,0 on Mechanical 16

## Text inside footprints (layer, text, board x,y; h text height)
D3: Top Overlay "-" at 39.895,75.48 h2; Top Overlay "+" at 38.8,82.32 h1.8; Mechanical 14 "-" at 39.895,75.48 h2; Mechanical 14 "+" at 38.8,82.32 h1.8
D4: Top Overlay "-" at 24.23,80.105 h2 r270; Top Overlay "+" at 31.07,81.2 h1.8 r270; Mechanical 14 "-" at 24.23,80.105 h2 r270; Mechanical 14 "+" at 31.07,81.2 h1.8 r270
D11: Top Overlay "C" at 47.354,80.89 h1 r270; Top Overlay "A" at 49.894,80.89 h1 r270
J4: Top Overlay "1" at 64.288,83.368 h1; Mechanical 14 "1" at 64.288,83.368 h1
J5: Top Overlay "YL" at 75.26,83.38 h1; Top Overlay "GR" at 91.77,83.38 h1
J6: Top Overlay "9" at 108.738,46.996 h1.5 r270; Top Overlay "1" at 106.198,46.869 h1.5 r270; Top Overlay "8" at 106.198,24.679 h1.5 r270; Top Overlay "15" at 108.738,24.679 h1.5 r270
J12: Top Overlay "1" at 34.637,11.752 h1 r180; Mechanical 14 "1" at 34.637,11.752 h1 r180
J13: Top Overlay "14" at 26.688,61.65 h1.02 r90; Mechanical 14 "14" at 26.688,61.65 h1.02 r90
U13: Top Overlay "*" at 61.611,14.254 h1.27 r180; Mechanical 13 "*" at 59.033,14.635 h1.27 r180; Mechanical 13 "RefDes2" at 51.223,23.635 h1.27 r180